# KiCad board Env-KB60F.kicad_pcb (continued)
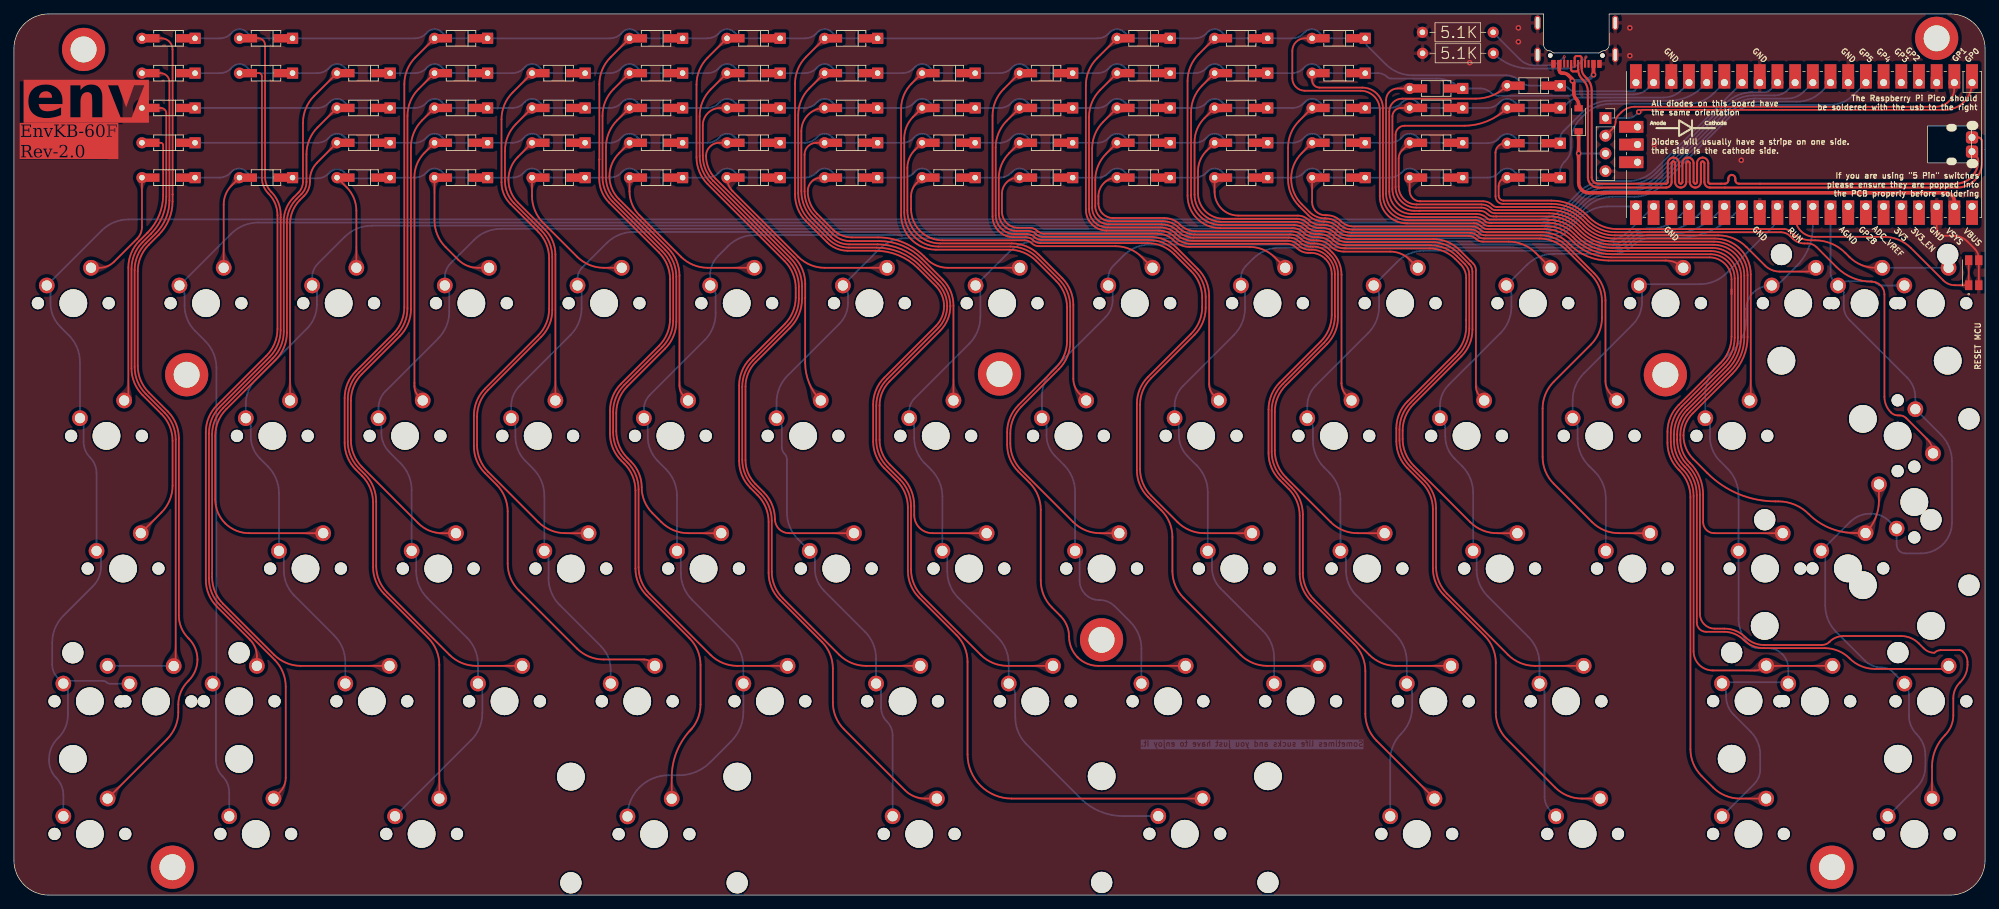
[diagram p0: board, top side]
## Routing (per net, layer and track width the routed paths; a pad name or vN(x,y) marks a point on that pad's centre or on a via; arc(x,y) is an arc through that point) (continued)
Net-(D_26-A): length 74.9
  Top w0.25: D_26.2 184.88,106.5 arc(183.77,104.83) 183.38,102.87 183.38,102.85 arc(183.77,100.86) 184.89,99.18 186.03,98.05 arc(187.02,97.38) 188.2,97.15 188.32,97.15 arc(189.38,96.94) 190.28,96.34 arc(191.17,95.74) 192.23,95.53 209.27,95.53 arc(209.81,95.42) 210.27,95.11 arc(210.73,94.81) 211.27,94.7 219.18,94.7 arc(221.27,94.29) 223.03,93.11 226.91,89.23 arc(228.09,87.47) 228.5,85.39 228.5,73.8 arc(228.71,72.73) 229.32,71.83 K_26.2
Net-(D_27-A): length 81.4
  Top w0.25: D_27.2 199.28,106.9 arc(198.93,106.38) 198.81,105.76 198.81,101.72 arc(199.56,99.9) 201.38,99.15 210.72,99.15 arc(211.49,99) 212.14,98.56 arc(212.39,98.39) 212.7,98.33 213.14,98.33 213.14,98.33 220.61,98.33 arc(222.98,97.86) 224.99,96.52 225.48,96.03 arc(227.44,94.72) 229.75,94.26 244.21,94.26 arc(247.85,92.75) 249.36,89.11 249.36,71.17 arc(249.31,71.05) K_27.2
Net-(D_28-A): length 95.9
  Top w0.25: D_28.2 214.09,107.94 arc(213.11,107.53) 212.71,106.56 212.71,100.31 arc(213.02,99.55) 213.78,99.24 220.7,99.24 arc(223.34,98.72) 225.58,97.22 226.03,96.77 arc(227.81,95.58) 229.92,95.16 253.68,95.16 arc(254.41,95.01) 255.03,94.6 255.4,94.23 arc(256.15,93.73) 257.04,93.55 257.54,93.55 arc(258.22,93.41) 258.8,93.03 261.68,90.15 arc(264,88.6) 266.73,88.06 arc(268.02,87.53) 268.55,86.24 268.55,71.55 arc(268.79,70.32) 269.49,69.28 arc(269.96,68.97) 270.5,68.86 270.75,68.86 arc(271.25,68.76) 271.67,68.48 274.67,65.48 arc(275.31,64.53) K_28.2
Net-(D_29-A): length 68.3
  Top w0.25: D_29.2 21.1,113 arc(21.65,112.77) 21.88,112.23 21.88,100.26 arc(21.3,97.38) 19.68,94.95 18.47,93.74 arc(17.29,91.98) 16.88,89.89 16.88,75.63 arc(17.29,73.55) 18.47,71.78 21.18,69.07 arc(22.36,67.3) 22.78,65.22 22.78,58.78 arc(22.36,56.69) 21.18,54.93 K_30.2
Net-(D_30-A): length 80.7
  Top w0.25: D_30.2 43.59,110.21 arc(42.41,108.45) 42,106.37 42,102.39 arc(41.81,101.44) 41.28,100.64 40.59,99.96 arc(39.56,98.4) 39.19,96.57 39.19,80.71 arc(38.78,78.63) 37.6,76.86 30.49,69.76 arc(29.31,67.99) 28.9,65.91 28.9,56.81 arc(29.27,54.95) 30.32,53.38 arc(31.9,52.32) 33.76,51.95 K_31.2
Net-(D_31-A): length 73.4
  Top w0.25: D_31.2 58.59,111.21 arc(57.41,109.45) 57,107.37 57,84.1 arc(56.59,82.02) 55.41,80.25 49.97,74.82 arc(48.79,73.06) 48.38,70.97 48.38,65.31 arc(48.79,63.22) 49.97,61.46 58.07,53.36 arc(59.63,52.32) 61.46,51.95 K_32.2
Net-(D_32-A): length 78.3
  Top w0.25: D_32.2 72.09,110.71 arc(70.91,108.95) 70.5,106.87 70.5,102.51 arc(70.84,100.78) 71.82,99.31 75.7,95.44 arc(76.88,93.67) 77.29,91.59 77.29,83.98 arc(76.88,81.9) 75.7,80.13 68.08,72.52 arc(66.9,70.75) 66.49,68.67 66.49,64.61 arc(66.9,62.53) 68.08,60.76 75.3,53.55 arc(77.06,52.37) 79.14,51.95 K_33.2
Net-(D_33-A): length 78.5
  Top w0.25: K_34.2 96.81,51.95 arc(94.72,52.37) 92.96,53.55 91.66,54.85 arc(90.53,56.54) 90.13,58.54 arc(89.73,60.54) 88.6,62.23 88.07,62.76 arc(86.89,64.53) 86.48,66.61 86.48,69.19 arc(86.89,71.27) 88.07,73.04 93.51,78.47 arc(94.69,80.24) 95.1,82.32 95.1,88.78 arc(94.69,90.86) 93.51,92.63 86.36,99.78 arc(85.35,101.28) 85,103.05 85,107.37 arc(85.41,109.45) 86.59,111.21 D_33.2
Net-(D_34-A): length 83.6
  Top w0.25: D_34.2 101.4,113 arc(99.63,112.27) 98.9,110.5 98.9,106.16 arc(99.29,104.2) 100.4,102.54 100.41,102.54 111.45,91.5 arc(112.71,89.61) 113.15,87.39 113.15,85.62 arc(112.7,83.36) 111.42,81.44 106.49,76.51 arc(105.41,74.89) 105.03,72.99 105.03,62.46 arc(105.4,60.6) 106.45,59.03 107.67,57.81 arc(108.85,56.05) 109.26,53.97 arc(109.85,52.55) 111.28,51.95 K_35.2
Net-(D_35-A): length 90.9
  Top w0.25: K_36.2 131.85,51.95 arc(130.02,52.72) 129.26,54.55 129.26,55.87 arc(128.81,58.11) 127.54,60.02 125.73,61.83 arc(124.66,63.44) 124.28,65.33 124.28,70.3 arc(124.65,72.16) 125.7,73.73 132.97,81 arc(134.06,82.63) 134.44,84.55 134.44,84.58 arc(134.06,86.48) 132.98,88.1 130.26,90.82 arc(127.39,92.74) 124,93.41 119.91,93.41 arc(118.49,93.69) 117.28,94.5 114.7,97.08 arc(113.48,98.91) 113.05,101.07 113.05,109.67 arc(114.03,112.02) D_35.2
Net-(D_36-A): length 91.5
  Top w0.25: D_36.2 129.1,111.72 arc(128.16,110.31) 127.82,108.63 127.82,98 arc(129.26,94.54) 132.72,93.1 143.08,93.1 arc(145.16,92.69) 146.93,91.51 150.06,88.38 arc(151.24,86.61) 151.65,84.53 151.65,79.38 arc(151.24,77.3) 150.06,75.54 144.64,70.12 arc(143.46,68.36) 143.05,66.28 143.05,64.84 arc(143.46,62.76) 144.64,60.99 152.09,53.55 arc(153.85,52.37) 155.93,51.95 K_37.2
Net-(D_37-A): length 101.6
  Top w0.25: K_38.2 170.91,51.95 arc(168.83,52.37) 167.06,53.55 163.27,57.34 arc(162.09,59.11) 161.67,61.19 161.67,70.36 arc(162.09,72.44) 163.27,74.21 169.51,80.45 arc(170.69,82.21) 171.1,84.29 171.1,85.87 arc(170.69,87.95) 169.51,89.72 166.77,92.46 arc(165,93.64) 162.92,94.05 147.53,94.05 arc(146.98,94.16) 146.51,94.48 arc(146.04,94.79) 145.48,94.9 143.66,94.9 arc(141.74,95.69) 140.95,97.61 140.95,107.32 arc(141.36,109.4) 142.54,111.16 D_37.2
Net-(D_38-A): length 105.5
  Top w0.25: D_38.2 156.39,111.01 arc(155.21,109.25) 154.8,107.17 154.8,98.69 arc(155.5,97) 157.19,96.3 164.76,96.3 arc(166,96.05) 167.05,95.35 arc(168.1,94.65) 169.34,94.4 183.03,94.4 arc(183.88,94.23) 184.6,93.75 arc(185.32,93.27) 186.17,93.1 186.52,93.1 arc(187.69,92.87) 188.69,92.21 188.94,91.95 arc(189.8,90.67) 190.1,89.16 190.1,82.93 arc(189.69,80.85) 188.51,79.08 182.62,73.2 arc(181.44,71.43) 181.02,69.35 181.02,63.83 arc(181.44,61.74) 182.62,59.98 189.05,53.55 arc(190.81,52.37) 192.9,51.95 K_39.2
Net-(D_39-A): length 108.8
  Top w0.25: K_40.2 212.92,51.95 arc(210.84,52.37) 209.07,53.55 200.97,61.65 arc(199.79,63.42) 199.37,65.5 199.37,66.65 arc(199.79,68.73) 200.97,70.5 207.81,77.33 arc(208.99,79.1) 209.4,81.18 209.4,89.49 arc(209.28,90.09) 208.94,90.6 arc(208.94,90.6) 208.93,90.6 arc(208.92,90.6) 208.92,90.61 207.36,92.17 arc(205.63,93.32) 203.58,93.73 191.49,93.73 arc(190.43,93.94) 189.53,94.54 arc(188.63,95.14) 187.57,95.35 187.1,95.35 arc(186.25,95.52) 185.53,96 arc(184.81,96.48) 183.96,96.65 173.42,96.65 arc(170.65,97.8) 169.5,100.57 169.5,108.08 arc(169.87,109.96) 170.94,111.56 D_39.2
Net-(D_40-A): length 111.4
  Top w0.25: K_41.2 230.42,51.95 arc(228.34,52.37) 226.58,53.55 221.07,59.06 arc(219.89,60.82) 219.48,62.9 219.48,69.85 arc(219.89,71.93) 221.07,73.69 226.41,79.03 arc(227.59,80.8) 228,82.88 228,85.25 arc(227.59,87.33) 226.41,89.1 222.85,92.66 arc(221.08,93.84) 219,94.25 211.08,94.25 arc(210.54,94.36) 210.09,94.66 arc(209.63,94.97) 209.09,95.08 192.05,95.08 arc(190.99,95.29) 190.09,95.89 arc(189.19,96.49) 188.13,96.7 188.01,96.7 arc(186.84,96.93) 185.84,97.6 184.52,98.92 arc(183.34,100.69) 182.93,102.77 182.93,107.29 arc(183.34,109.37) 184.52,111.14 D_40.2
Net-(D_41-A): length 121.7
  Top w0.25: K_42.2 244.12,51.95 arc(242.99,52.42) 242.52,53.55 242.52,57.49 arc(242.03,59.95) 240.64,62.03 240.6,62.07 arc(239.6,63.57) 239.25,65.33 239.25,66.09 arc(239.6,67.87) 240.61,69.38 246.4,75.17 arc(247.91,77.43) 248.44,80.09 248.44,88.92 arc(247.14,92.06) 244,93.36 229.59,93.36 arc(227.07,93.86) 224.93,95.29 224.49,95.73 arc(222.61,96.99) 220.39,97.43 212.82,97.43 212.81,97.42 212.43,97.42 arc(211.95,97.52) 211.54,97.79 arc(211.04,98.12) 210.45,98.24 201.81,98.24 201.81,98.24 201.04,98.24 arc(198.83,99.16) 197.91,101.37 197.91,111.78 arc(198.27,112.64) 199.13,113 D_41.2
Net-(D_42-A): length 146.7
  Top w0.25: K_43.2 267.76,56.62 arc(267.26,54.11) K_29.2 264.27,51.98 arc(260.69,52.69) 257.66,54.72 arc(255.67,56.05) 253.31,56.52 252.91,56.52 arc(247.63,57.57) 243.15,60.56 241.09,62.62 arc(240.06,64.16) 239.7,65.97 arc(240.04,67.69) 241.02,69.15 246.72,74.85 arc(248.33,77.26) 248.9,80.11 248.9,88.99 arc(247.49,92.4) 244.08,93.81 229.65,93.81 arc(227.26,94.29) 225.23,95.64 224.82,96.05 arc(222.79,97.4) 220.4,97.88 212.65,97.88 arc(212.22,97.97) 211.85,98.21 arc(211.31,98.57) 210.67,98.7 201.31,98.7 arc(199.22,99.56) 198.36,101.65 198.36,109.15 arc(198.74,110.07) 199.66,110.45 208.22,110.45 arc(211.56,111.11) D_42.2
Net-(D_43-A): length 100.2
  Top w0.25: D_43.2 21.04,118 arc(21.95,117.62) 22.33,116.72 22.33,99.73 arc(21.82,97.17) 20.37,95.01 18.92,93.56 arc(17.74,91.79) 17.33,89.71 17.33,75.81 arc(17.74,73.73) 18.92,71.97 21.63,69.25 arc(22.81,67.49) 23.23,65.41 23.23,33.17
  Bottom w0.25: K_45.2 22.92,32.91
Net-(D_44-A): length 95.2
  Top w0.25: K_46.2 34.88,34.29 arc(34.62,35.57) 33.9,36.65 29.14,41.41 arc(27.96,43.17) 27.55,45.25 27.55,66.47 arc(27.96,68.55) 29.14,70.32 36.25,77.42 arc(37.43,79.19) 37.84,81.27 37.84,97.59 arc(37.5,99.27) 36.55,100.7 arc(35.85,101.75) 35.6,102.99 35.6,117.59 arc(35.48,117.88) 35.19,118 D_44.2 D_44.2
Net-(D_45-A): length 110.4
  Top w0.25: K_47.2 41.2,32.91 arc(39.12,33.32) 37.35,34.5 30.04,41.81 arc(28.86,43.57) 28.45,45.65 28.45,66.1 arc(28.86,68.18) 30.04,69.95 37.15,77.05 arc(38.33,78.82) 38.74,80.9 38.74,96.79 arc(39.1,98.59) 40.12,100.12 40.85,100.85 arc(41.33,101.57) 41.5,102.42 41.5,110.87 arc(41.91,112.95) 43.09,114.71 D_45.2
Net-(D_46-A): length 104.2
  Top w0.25: K_48.2 66.37,32.91 arc(64.29,33.32) 62.53,34.5 53.6,43.42 arc(52.42,45.19) 52.01,47.27 52.01,56.53 arc(51.6,58.61) 50.42,60.38 49.52,61.27 arc(48.34,63.04) 47.93,65.12 47.93,71.16 arc(48.34,73.24) 49.52,75.01 54.91,80.39 arc(56.09,82.16) 56.5,84.24 56.5,111.87 arc(56.91,113.95) 58.09,115.71 D_46.2
Net-(D_47-A): length 107.3
  Top w0.25: D_47.2 71.59,115.21 arc(70.41,113.45) 70,111.37 70,102.31 arc(70.33,100.64) 71.28,99.22 75.25,95.25 arc(76.43,93.49) 76.84,91.41 76.84,84.16 arc(76.43,82.08) 75.25,80.32 67.63,72.7 arc(66.45,70.94) 66.04,68.86 66.04,64.42 arc(66.45,62.34) 67.63,60.58 69.3,58.91 arc(70.48,57.15) 70.89,55.07 70.89,47.59 arc(71.3,45.51) 72.48,43.75 80.81,35.42 arc(82.58,34.24) 84.66,33.82 90.46,33.82 arc(91.06,33.7) 91.57,33.36
Net-(D_48-A): length 108.3
  Top w0.25: D_48.2 86.09,115.71 arc(84.91,113.95) 84.5,111.87 84.5,103.06 arc(84.88,101.16) 85.95,99.55 93.06,92.44 arc(94.24,90.68) 94.65,88.6 94.65,82.51 arc(94.24,80.42) 93.06,78.66 87.62,73.22 arc(86.44,71.46) 86.03,69.37 86.03,66.43 arc(86.44,64.34) 87.62,62.58 88.09,62.11 arc(89.27,60.35) 89.68,58.26 89.68,47.07 arc(90.1,44.99) 91.27,43.23 100,34.5 arc(101.77,33.32) 103.85,32.91 K_50.2
Net-(D_49-A): length 110.4
  Top w0.25: K_51.2 122.34,32.91 arc(120.26,33.32) 118.49,34.5 110.39,42.6 arc(109.21,44.36) 108.8,46.44 108.8,53.77 arc(108.39,55.85) 107.21,57.62 106.16,58.66 arc(104.98,60.43) 104.57,62.51 104.57,72.98 arc(104.98,75.06) 106.16,76.83 111.1,81.77 arc(112.28,83.53) 112.69,85.62 112.69,87.35 arc(112.28,89.43) 111.1,91.2 100.04,102.26 arc(98.86,104.02) 98.45,106.1 98.45,111.82 arc(98.86,113.9) 100.04,115.66 D_49.2
Net-(D_50-A): length 118.3
  Top w0.25: K_52.2 142.64,32.91 arc(140.56,33.32) 138.79,34.5 130.39,42.9 arc(129.21,44.67) 128.8,46.75 128.8,55.82 arc(128.38,57.9) 127.2,59.67 125.4,61.47 arc(124.22,63.24) 123.81,65.32 123.81,70.25 arc(124.22,72.33) 125.4,74.1 132.66,81.36 arc(133.65,82.83) 133.99,84.56 arc(133.65,86.29) 132.66,87.76 130.04,90.38 arc(127.2,92.28) 123.84,92.95 119.88,92.95 arc(118.28,93.27) 116.93,94.17 114.19,96.91 arc(113.01,98.67) 112.6,100.75 112.6,111.97 arc(113.01,114.05) 114.19,115.81 D_50.2
Net-(D_51-A): length 124.6
  Top w0.25: K_53.2 155.68,32.91 arc(154.08,33.22) 152.72,34.13 arc(151.81,35.49) 151.49,37.1 arc(151.17,38.71) 150.26,40.07 149.02,41.31 arc(147.84,43.07) 147.43,45.15 147.43,55.32 arc(147.01,57.4) 145.83,59.17 144.19,60.81 arc(143.01,62.57) 142.6,64.65 142.6,66.46 arc(143.01,68.54) 144.19,70.31 149.61,75.72 arc(150.79,77.49) 151.2,79.57 151.2,84.35 arc(150.79,86.43) 149.61,88.19 146.74,91.06 arc(144.98,92.24) 142.89,92.65 132.37,92.65 arc(128.84,94.12) 127.37,97.65 127.37,112.87 arc(127.76,114.83) 128.88,116.5 D_51.2
Net-(D_52-A): length 129.8
  Top w0.25: D_52.2 142.09,115.71 arc(140.91,113.95) 140.5,111.87 140.5,97.45 arc(141.38,95.33) 143.5,94.45 145.29,94.45 arc(145.85,94.34) 146.32,94.03 arc(146.79,93.71) 147.34,93.6 162.73,93.6 arc(164.82,93.19) 166.58,92.01 169.01,89.58 arc(170.19,87.82) 170.6,85.74 170.6,84.43 arc(170.19,82.35) 169.01,80.58 162.82,74.39 arc(161.64,72.63) 161.22,70.55 161.22,61 arc(161.64,58.92) 162.82,57.16 164.73,55.24 arc(165.91,53.48) 166.32,51.4 166.32,46.53 arc(166.74,44.45) 167.92,42.68 176.1,34.5 arc(177.87,33.32) 179.95,32.91 K_54.2
Net-(D_53-A): length 135.8
  Top w0.25: K_55.2 198.43,32.91 arc(196.35,33.32) 194.59,34.5 186.64,42.44 arc(185.46,44.21) 185.05,46.29 185.05,54.66 arc(184.64,56.74) 183.46,58.5 182.17,59.79 arc(180.99,61.56) 180.57,63.64 180.57,69.53 arc(180.99,71.62) 182.17,73.38 188.06,79.27 arc(189.24,81.04) 189.65,83.12 189.65,89.16 arc(189.38,90.5) 188.63,91.63 188.5,91.76 arc(187.51,92.42) 186.33,92.65 185.98,92.65 arc(185.13,92.82) 184.41,93.3 arc(183.69,93.78) 182.85,93.95 169.15,93.95 arc(167.92,94.2) 166.87,94.9 arc(165.82,95.6) 164.58,95.85 157,95.85 arc(155.13,96.63) 154.35,98.5 154.35,111.72 arc(154.76,113.8) 155.94,115.56 D_53.2
Net-(D_54-A): length 139.1
  Top w0.25: K_56.2 218.36,32.91 arc(216.28,33.32) 214.51,34.5 205.77,43.24 arc(204.59,45.01) 204.17,47.09 204.17,55.56 arc(203.76,57.64) 202.58,59.4 200.52,61.47 arc(199.34,63.23) 198.92,65.32 198.92,66.83 arc(199.34,68.92) 200.52,70.68 207.36,77.52 arc(208.54,79.29) 208.95,81.37 208.95,89.08 arc(208.79,89.87) 208.34,90.55 207.17,91.72 arc(205.44,92.87) 203.4,93.28 191.3,93.28 arc(190.24,93.49) 189.34,94.09 arc(188.45,94.69) 187.39,94.9 186.91,94.9 arc(186.06,95.07) 185.34,95.55 arc(184.63,96.03) 183.78,96.2 173.32,96.2 arc(170.27,97.47) 169,100.52 169,112.37 arc(169.41,114.45) 170.59,116.21 D_54.2
Net-(D_55-A): length 161.9
  Top w0.25: D_55.2 186.38,117 arc(186.69,116.24) 187.45,115.92 193.58,115.92 arc(195.68,115.06) 196.55,112.96 196.55,100.57 arc(197.63,97.96) 200.24,96.88 209.83,96.88 arc(210.37,96.77) 210.83,96.46 arc(211.29,96.16) 211.83,96.05 219.98,96.05 arc(222.06,95.64) 223.83,94.46 224.04,94.25 arc(226.53,92.58) 229.46,92 243.59,92 arc(246.04,90.99) 247.05,88.54 247.05,80.02 arc(246.64,77.94) 245.46,76.17 239.47,70.18 arc(238.29,68.42) 237.88,66.34 237.88,65.09 arc(238.29,63.01) 239.47,61.24 239.56,61.15 arc(240.74,59.39) 241.15,57.31 241.15,35.01 arc(241.96,33.06) 243.91,32.25 249.93,32.25 arc(250.82,32.42) K_57B1.2 ; K_57.2 252.92,32.91 arc(251.94,32.71) 251.1,32.15
Net-(D_55A1-A): length 165.9
  Top w0.25: D_55A1.2 198.68,115.8 arc(197.49,115.31) 197,114.12 197,100.72 arc(197.99,98.32) 200.39,97.33 209.87,97.33 arc(210.56,97.19) 211.15,96.8 arc(211.48,96.58) 211.88,96.5 212.13,96.5 212.13,96.5 220.22,96.5 arc(222.26,96.1) 223.99,94.94 224.36,94.57 arc(226.7,93.01) 229.46,92.46 243.62,92.46 arc(246.38,91.32) 247.52,88.56 247.52,80.1 arc(247.06,77.77) 245.74,75.8 239.94,70 arc(238.75,68.22) 238.33,66.12 238.33,65.17 arc(238.72,63.21) 239.83,61.55 239.96,61.42 arc(241.18,59.59) 241.61,57.44 241.61,39.13 arc(242,38.19) 242.94,37.8 245.52,37.8 arc(247.04,37.5) 248.34,36.63 arc(249.65,35.76) 251.19,35.45 259.99,35.45 arc(261.92,35.07) 263.56,33.97 arc(265.22,32.86) 267.18,32.47 276.73,32.47 arc(277.29,32.58) K_57A1.2
Net-(D_56-A): length 120.8
  Top w0.25: D_56.2 21.18,123 arc(22.31,122.53) 22.77,121.4 22.77,100.58 22.78,100.58 22.78,99.57 arc(22.26,96.99) 20.8,94.8 19.37,93.37 arc(18.19,91.6) 17.78,89.52 17.78,76 arc(18.19,73.92) 19.37,72.15 22.08,69.44 arc(23.26,67.68) 23.67,65.59 23.67,40.14 arc(24.02,38.39) 25.01,36.91 25.1,36.82 arc(26.03,35.44) 26.35,33.81 arc(26.03,32.18) 25.1,30.8 24.97,30.68 arc(23.96,29.15) 23.6,27.36 23.6,26.26 arc(23.19,24.18) 22.01,22.41 K_58.2
Net-(D_57-A): length 120.5
  Top w0.25: K_59.2 38.14,14.74 arc(38.8,15.72) 39.03,16.87 39.03,29.92 arc(38.61,32) 37.43,33.77 29.59,41.61 arc(28.41,43.37) 28,45.45 28,66.28 arc(28.41,68.37) 29.59,70.13 36.7,77.24 arc(37.88,79) 38.29,81.08 38.29,97.3 38.29,97.3 38.29,97.71 arc(37.94,99.46) 36.95,100.95 arc(36.28,101.95) 36.05,103.12 36.05,122.05 arc(35.77,122.72) 35.1,123 D_57.2
Net-(D_58-A): length 118.5
  Top w0.25: K_60.2 61.07,33.06 arc(60.66,35.15) 59.48,36.91 53.15,43.24 arc(51.97,45) 51.56,47.08 51.56,56.35 arc(51.15,58.43) 49.97,60.19 49.07,61.09 arc(47.89,62.85) 47.48,64.93 47.48,71.35 arc(47.89,73.43) 49.07,75.19 54.46,80.58 arc(55.64,82.34) 56.05,84.42 56.05,116.42 arc(56.46,118.5) 57.64,120.26 D_58.2
Net-(D_59-A): length 131.5
  Top w0.25: D_59.2 99.59,120.21 arc(98.41,118.45) 98,116.37 98,105.92 arc(98.41,103.83) 99.59,102.07 110.65,91.01 arc(111.83,89.25) 112.24,87.17 112.24,85.8 arc(111.83,83.72) 110.65,81.95 105.71,77.01 arc(104.53,75.25) 104.12,73.17 104.12,62.32 arc(104.53,60.24) 105.71,58.48 106.76,57.43 arc(107.94,55.66) 108.35,53.58 108.35,46.26 arc(108.77,44.17) 109.94,42.41 115.98,36.37 arc(117.16,34.61) 117.57,32.53 117.57,27.66 arc(117.99,25.58) 119.17,23.81 127.93,15.05 arc(129.25,14.17) 130.82,13.85 K_61.2
Net-(D_60-A): length 153.1
  Top w0.25: K_62.2 195.62,22.18 arc(194.44,23.95) 194.02,26.03 194.02,32.17 arc(193.61,34.25) 192.43,36.02 186.19,42.26 arc(185.01,44.02) 184.6,46.1 184.6,54.47 arc(184.19,56.55) 183.01,58.32 181.72,59.61 arc(180.54,61.37) 180.12,63.45 180.12,69.72 arc(180.54,71.8) 181.72,73.57 187.61,79.46 arc(188.79,81.22) 189.2,83.3 189.2,89.16 arc(188.97,90.33) 188.31,91.31 arc(187.32,91.97) 186.16,92.2 185.8,92.2 arc(184.95,92.37) 184.23,92.85 arc(183.51,93.34) 182.66,93.5 168.97,93.5 arc(167.73,93.75) 166.68,94.45 arc(165.63,95.15) 164.39,95.4 156.9,95.4 arc(154.78,96.28) 153.9,98.4 153.9,116.27 arc(154.31,118.35) 155.49,120.11 D_60.2
Net-(D_61-A): length 161.5
  Top w0.25: K_63.2 225.12,13.85 arc(223.04,14.27) 221.28,15.45 214.34,22.38 arc(213.16,24.15) 212.75,26.23 212.75,33.37 arc(212.34,35.45) 211.16,37.22 205.32,43.06 arc(204.14,44.82) 203.73,46.9 203.73,55.37 arc(203.31,57.45) 202.13,59.22 200.07,61.28 arc(198.89,63.05) 198.48,65.13 198.48,67.02 arc(198.89,69.1) 200.07,70.87 206.91,77.71 arc(208.09,79.47) 208.5,81.56 208.5,82.55 208.5,88.61 arc(208.29,89.67) 207.69,90.56 206.96,91.29 arc(205.26,92.43) 203.25,92.83 191.12,92.83 arc(190.06,93.04) 189.16,93.64 arc(188.26,94.24) 187.2,94.45 186.73,94.45 arc(185.88,94.62) 185.16,95.1 arc(184.44,95.58) 183.59,95.75 173.16,95.75 arc(169.87,97.12) 168.5,100.41 168.5,116.87 arc(168.91,118.95) 170.09,120.71 D_61.2
Net-(D_62-A): length 178.2
  Top w0.25: 246.6,86.29 246.6,86.95 ; 246.6,86.29 246.6,86.95 ; 246.6,86.29 246.6,80.2 arc(246.19,78.12) 245.01,76.36 238.99,70.34 arc(237.81,68.58) 237.4,66.5 237.4,64.93 arc(237.81,62.85) 238.99,61.08 239.11,60.97 arc(240.29,59.2) 240.7,57.12 240.7,20.95 arc(241.11,18.87) 242.29,17.11 243.95,15.45 arc(245.72,14.27) 247.8,13.85 K_64.2 ; 246.6,86.95 246.6,88.37 arc(245.67,90.62) 243.42,91.55 229.28,91.55 arc(226.34,92.13) 223.85,93.8 223.64,94.01 arc(221.88,95.19) 219.8,95.6 211.64,95.6 arc(211.1,95.71) 210.64,96.01 arc(210.19,96.32) 209.65,96.43 200.02,96.43 arc(197.25,97.57) 196.1,100.34 196.1,112.72 arc(195.29,114.67) 193.34,115.48 185.33,115.48 arc(184.06,116) 183.54,117.27 183.54,121.19 arc(184.07,122.47) 185.35,123 D_62.2
Net-(D_63-A): length 202.1
  Top w0.25: K_65.2 275.38,18.44 arc(275.87,20.89) 277.26,22.97 arc(278.13,24.28) 278.44,25.82 278.44,28.27 arc(278.68,29.47) 279.36,30.49 279.45,30.58 arc(280.21,31.72) 280.48,33.07 280.48,33.45 arc(280.33,34.22) 279.89,34.87 279.8,34.96 arc(279.58,35.11) 279.32,35.16 276.64,35.16 arc(276.14,35.06) 275.72,34.78 arc(274.9,34.94) 274.2,35.41 273.47,36.14 arc(272.31,36.92) 270.94,37.19 262.67,37.19 arc(261.59,36.97) 260.67,36.36 260.65,36.34 arc(260.17,36.02) 259.61,35.91 259.6,35.9 251.26,35.9 arc(249.83,36.19) 248.61,37 arc(247.23,37.93) 245.59,38.25 244.18,38.25 arc(242.68,38.87) 242.06,40.37 242.06,40.37 242.06,57.47 arc(241.6,59.77) 240.3,61.72 240.28,61.74 arc(239.18,63.39) 238.79,65.34 238.79,66.15 arc(239.17,68.05) 240.25,69.67 240.26,69.67 246.05,75.46 arc(247.48,77.6) 247.98,80.13 247.98,88.76 arc(246.76,91.69) 243.83,92.91 229.58,92.91 arc(226.89,93.44) 224.61,94.97 224.29,95.29 arc(222.43,96.53) 220.23,96.97 211.89,96.97 arc(211.72,97) 211.58,97.1 arc(210.82,97.61) 209.91,97.79 200.67,97.79 arc(198.4,98.73) 197.46,101 197.46,112.48 arc(198,113.8) 199.32,114.34 209.89,114.34 arc(212.32,114.82) D_63.2
Net-(D_590-A): length 123.7
  Top w0.25: K_610.2 94.44,16.87 arc(95.2,20.69) 97.37,23.93 ; D_590.2 85.64,120.26 arc(84.46,118.49) 84.05,116.41 84.05,105.6 arc(84.05,105.59) 84.04,105.59 arc(84.04,105.58) 84.04,105.57 84.04,102.82 arc(84.4,100.98) 85.45,99.42 92.61,92.26 arc(93.79,90.49) 94.2,88.41 94.2,82.69 arc(93.79,80.61) 92.61,78.84 87.17,73.41 arc(85.99,71.64) 85.58,69.56 85.58,66.24 arc(85.99,64.16) 87.17,62.39 87.64,61.92 arc(88.82,60.16) 89.23,58.08 89.23,46.89 arc(89.65,44.81) 90.83,43.04 96.98,36.88 arc(98.16,35.12) 98.57,33.04 98.57,27.35 arc(98.16,25.27) 96.98,23.51
Net-(D_591-A): length 163.5
  Top w0.25: D_591.2 113.74,120.34 arc(112.56,118.58) 112.14,116.5 112.14,100.58 arc(112.56,98.49) 113.74,96.73 116.72,93.74 arc(118.09,92.82) 119.71,92.5 123.71,92.5 arc(127.02,91.84) 129.82,89.97 132.35,87.44 arc(133.23,86.12) 133.54,84.56 arc(133.23,83) 132.35,81.68 124.95,74.28 arc(123.77,72.52) 123.36,70.44 123.36,65.13 arc(123.77,63.05) 124.95,61.29 126.75,59.48 arc(127.93,57.72) 128.35,55.64 128.35,46.56 arc(128.76,44.48) 129.94,42.72 135.32,37.34 arc(136.5,35.58) 136.91,33.49 136.91,20.2 arc(138.77,15.71) 143.25,13.85 170.62,13.85 arc(170.64,13.86) K_612.2
Net-(USB1-CC1): length 15.5
  Top w0.15: USB1.A5 225.57,120 arc(225.59,120.08) 225.64,120.15 225.66,120.17 arc(225.69,120.22) 225.7,120.27 v1(225.7,120.33)
  Bottom w0.25: v1(225.7,120.33) 224.87,119.49 arc(223.95,118.88) 222.86,118.66 217.69,118.66 arc(214.83,119.23) 5.1K1.1
Net-(USB1-CC2): length 13.5
  Top w0.15: v1(222.58,120.36) 222.58,120.36 arc(222.58,120.35) 222.57,120.35 USB1.B5
  Bottom w0.25: v1(222.58,120.36) 221.95,119.73 arc(221.26,119.27) 220.45,119.11 218.31,119.11 arc(217.18,119.33) 216.23,119.97 212.41,123.79 arc(212.39,123.82) 5.1K2.2

## Copper pours and planes (outline as drawn; the poured copper is in the pictures)
GND on Top, Bottom: 283,126.5 283,0 0,0 -1.3,1.3 -1.3,126.5

Small or netless copper shapes (teardrops, artwork), in the pictures only: 189 on Top, 179 on Bottom

## Text on the board
Bottom: Sometimes life sucks and you just have to enjoy it.
B.Silkscreen: https://github.com/Envious-Data/Env-KB60F / Version: 2.0 | Parts Needed: / 70x 1n4148 Diodes / 2x  5.1K 1/4W resistors / 70x switches / 7x  2u MX stabilizers (or 1x6.25u + 4x 2u stabs) / 1x  Raspberry Pi Pico / 1x Type-C-31-M-14 / Parts may vary by kit variant. | http://github.com/envious-data/env-kb60f
Top: env | EnvKB-60F / Rev-2.0
F.Silkscreen: All diodes on this board have / the same orientation | Diodes will usually have a stripe on one side. / that side is the cathode side. | The Raspberry Pi Pico should / be soldered with the usb to the right | If you are using "5 Pin" switches / please ensure they are popped into / the PCB properly before soldering | RESET MCU | 5.1K
